# Altium PCB LAY-94611_B.PcbDoc (part 4 of 16) (continued)
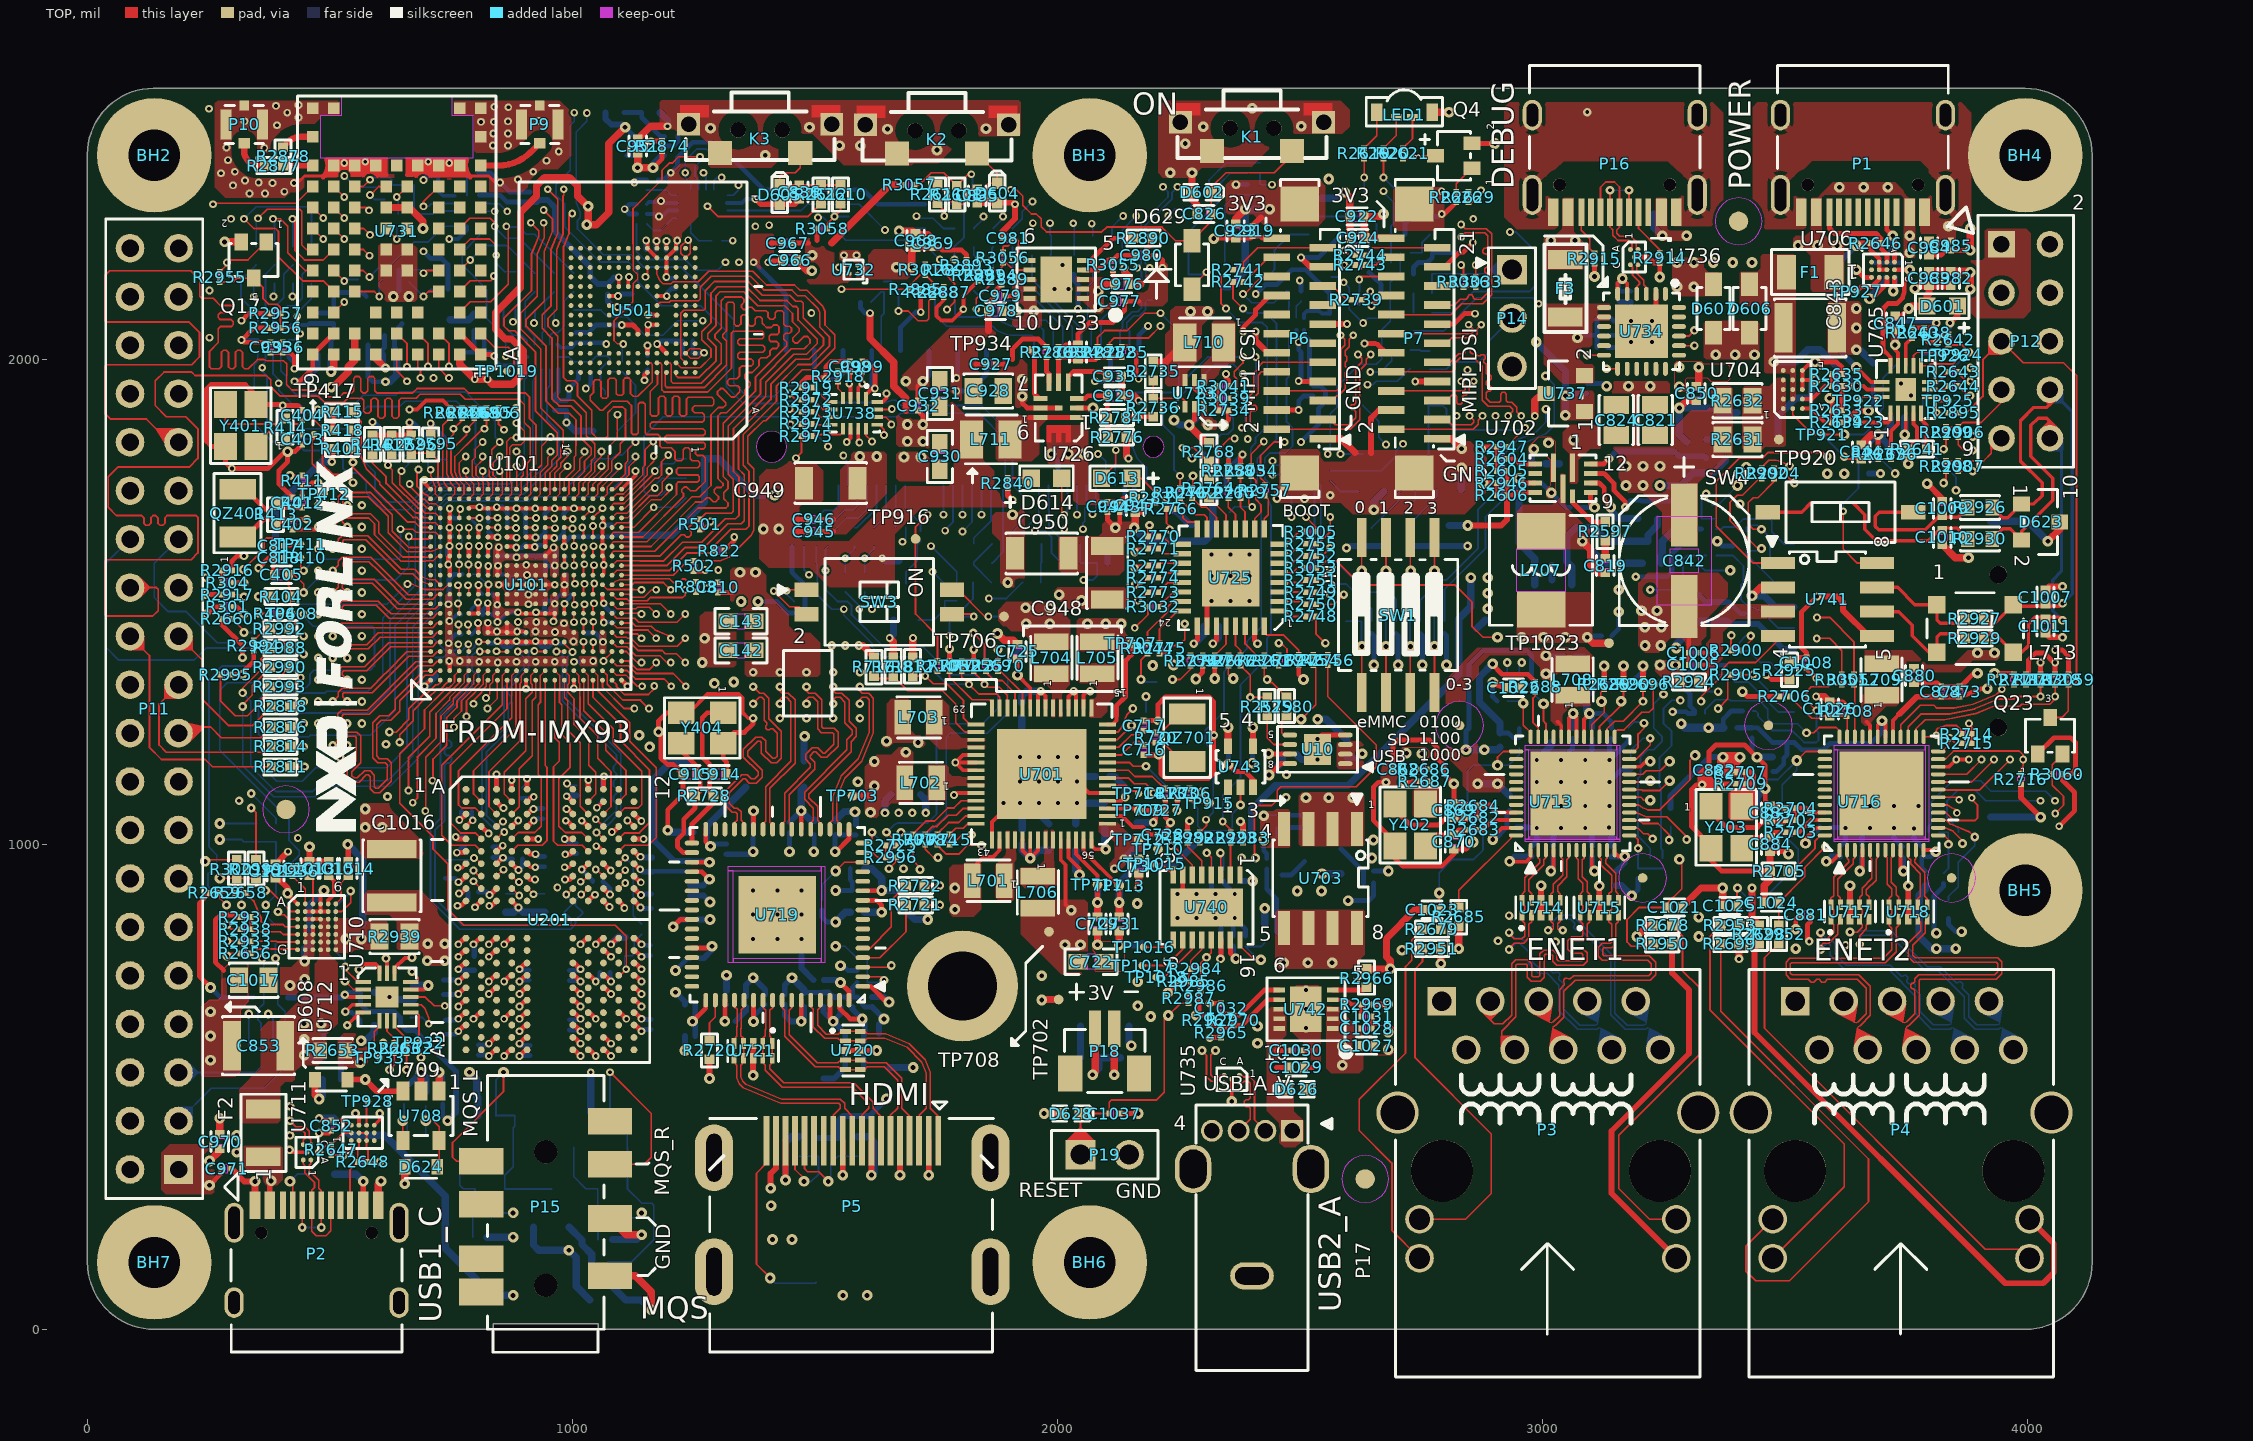
[diagram p0: TOP view]
## Nets (pads, with @x,y where several pads share a name; then routed paths per layer and width w, separated by ;. In a path a pad name is that pad's centre, name@x,y a point inside that pad or via, vN(x,y) a via of type N, cw(c..) or ccw(c..) an arc to the next point about the centre after c; other vN are vias at no path point) (continued)
  ART08 w3.09: v25(1700.8,1065) 1700.8,1047 1711.4,1036.4 1711.4,991.9 1752.3,951 1789.8,951 1840.2,900.6 1857.2,900.6 2025.8,732 2025.8,538 2059.3,504.5 2424.3,504.5 2643.8,724 2728.8,724 2732.6,727.8 3986.92,727.8 4096,836.88 4096,2088.74 P12.4@4047.13,2137.61
ADC_IN2: R2585.2 R2588.1 U101.B20 | length 138.5
  TOP w3.2: 717.5,1737.07 717.5,1722.59 U101.B20@727.43,1712.66
  TOP w3.62: v5(707.8,1772.5) 707.8,1760.48 717.5,1737.07
  BOTTOM w3.62: v5(707.8,1772.5) 702.04,1778.26 702.04,1800.2 719.8,1800.2 726.2,1793.8 741.96,1793.8
ADC_IN3: R2595.2 R2596.1 U101.B21 | length 122.3
  TOP w3.62: R2596.1@667.76,1805.2 669.36,1806.8 R2595.2@707.84,1806.8 722.8,1791.84 722.8,1746.98 727.43,1735.8 U101.B21@727.43,1732.34
ANVDD_1V8: C903.1 C904.1 C905.1 C906.1 C907.1 FB30.2 U719.17 U719.27 U719.36 U719.44 | length 425.5
  TOP w10: U719.44@1246.62,786.1 1283.9,786.1 v7(1287.8,790) ; U719.36@1246.62,943.58 1267.22,943.58 v7(1282.8,928) ; U719.27@1373.59,1031.18 v7(1373.59,1069) ; v7(1541.8,985) 1543.8,985 1570.44,1011.64 U719.17@1570.44,1031.18
  BOTTOM w10: 1372.8,1035.51 1372.8,1068.21 v7(1373.59,1069) ; v7(1541.8,985) 1541.8,1019.24 C903.1@1542.8,1020.24 1543.55,1019.49 1584.8,1019.49
  BOTTOM w12: C906.1@1242.8,894.49 1270.31,894.49 v2(1283.8,881) ; 1242.8,915.51 1270.31,915.51 v7(1282.8,928) ; C907.1@1263.31,765 1270.8,765 1287.8,782 v7(1287.8,790)
APVDD_1V8: C896.1 C897.1 FB27.2 U719.32 | length 232.3
  TOP w10: U719.32@1275.16,1031.18 1275.16,1005.64 v7(1284.8,996)
  BOTTOM w10: 1277.56,1025 1277.56,1003.24 v7(1284.8,996) 1289.31,1000.51 1317.8,1000.51
  BOTTOM w15: 1277.56,1025 1277.56,1037.76 1357.8,1118
AVCC_3V3: C898.1 C899.1 C900.1 FB28.2 U719.22 U719.41 | length 749.5
  TOP w10: v18(1207.8,830) 1222.96,845.16 U719.41@1246.62,845.16 ; U719.22@1472.01,1031.18 v18(1472.01,1069)
  ART08 w15: v18(1207.8,830) 1254.8,830 1265.8,819 1302.8,819 1332.8,849 1332.8,905 1417.8,990 1417.8,1014.79 v18(1472.01,1069)
  BOTTOM w10: v2(1447.8,985) C899.1@1447.8,1024.49
  BOTTOM w12: v18(1207.8,830) 1222.8,845 C900.1@1237.29,845 ; 1447.8,1045.51 1447.8,1045.79 1471.01,1069 v18(1472.01,1069)
  BOTTOM w15: 1477.8,1118 1472.01,1112.21 v18(1472.01,1069) 1491.25,1049.76 C898.1@1498.8,1049.76 ; FB28.2@1477.8,1172 1477.8,1221.8 v13(1479,1223)
B16_TAMPER0: C818.1 TP410.1 U101.B16 | length 420.3
  TOP w3.2: 671.55,1650 677.78,1643.77 717.58,1643.77 U101.B16@727.43,1633.92
  TOP w3.62: C818.1@405.31,1591 TP410.1@439.8,1591 439.8,1570.45 v15(445.8,1564.45) ; v5(645.8,1650) 671.55,1650
  BOTTOM w3.62: v15(445.8,1564.45) 469.35,1588 640.18,1588 645.8,1593.62 v5(645.8,1650)
BT_154_RST: R3029.2 R3030.2 U731.J7 | length 120.5
  TOP w3.62: U731.J7@551.19,2356.61 568.91,2356.61 v5(582.8,2370.5)
  BOTTOM w3.62: v5(582.8,2370.5) 587.3,2375 622.8,2375 628.31,2369.49 628.31,2360 652.29,2360
BT_154_WAKE_HOST: U731.E7 U745.7 | length 254.7
  TOP w3.62: U731.E7@551.19,2183.39 568.41,2183.39 v5(581.8,2170)
  BOTTOM w3.62: v5(581.8,2170) 599.8,2188 618.8,2188 672.8,2242 701.8,2242 733.8,2274 734.22,2274 734.72,2274.5 757.01,2274.5
BT_RST: R3029.1 U745.9 | length 143.6
  BOTTOM w3.62: 673.31,2360 673.31,2304.49 677.8,2300 712.8,2300 718.3,2305.5 734.22,2305.5 734.72,2306 757.01,2306
BUF_POR: R145.2 R2753.1 U743.4 | length 324
  TOP w3.62: v20(2237.8,1340) 2253.8,1340 2274.8,1361 2274.8,1368.49
  TOP w12: U743.4@2403.4,1202.5 v19(2403.4,1241)
  ART06 w4: v20(2237.8,1340) 2258.8,1319 2322,1319 2400,1241 v19(2403.4,1241)
  BOTTOM w3.62: R145.2@2402.8,1215.51 2402.8,1240.4 v19(2403.4,1241)
BYPASS1: C854.2 U712.4 | length 139.1
  TOP w8: v15(531.8,655) 546.05,669.25 U712.4@568.59,669.25
  BOTTOM w10: v15(531.8,655) 533.8,653 545.8,653 562.04,636.76 562.04,626
  BOTTOM w15: v2(564.3,595) 573.8,595 591.56,612.76 C854.2@591.56,626
CAM_GPIO: P6.17 R2739.2 | length 70.9
  TOP w3.62: P6.17@2547.24,2151.57 2568.44,2151.57 2597.01,2123 2606.29,2123
CAM_MCLK: P6.18 R2738.2 TP1057.1 | length 197.2
  TOP w3.62: v5(2382.8,2135) 2386.8,2135 2423.05,2171.25 P6.18@2452.76,2171.25
  BOTTOM w3.62: v5(2382.8,2135) 2400.8,2117 TP1057.1@2441,2117 2447,2117 2470.51,2140.51 R2738.2@2477.8,2140.51
CAM_SCL: P6.20 R2742.2 | length 90.4
  TOP w3.62: 2383.31,2160 2385.29,2160 2435.91,2210.62 P6.20@2452.76,2210.62
CAM_SDA: P6.21 R2741.2 | length 191.8
  TOP w3.62: 2383.31,2185 2383.31,2200.52 2413.1,2230.31 P6.21@2547.24,2230.31
CAN_H: C1007.2 D623.1 L713.2 P12.8 R2926.2 R2927.2 | length 1102.3
  TOP w7: R2927.2@3911,1465.04 3919.96,1456.08 3933.41,1456.08 L713.2@3971.54,1494.21 3974.75,1491 4033.56,1491 4037.8,1495.24 4042.04,1491 4066.8,1491 v15(4072.8,1497) ; R2926.2@3928.39,1695 3949.89,1673.5 3959.8,1673.5 D623.1@3988.3,1702 4013.8,1702 4030.8,1719 4030.8,1745.88 3986.3,1790.38 3986.3,1873.62 4013.68,1901 4040.13,1901 4047.13,1908 P12.8@4047.13,1937.61
  TOP w12: C1007.2@4037.8,1524.76 4045.04,1532 v10(4072.8,1532)
  BOTTOM w7: P12.8@4047.13,1937.61 4092.8,1891.94 4092.8,1517 v15(4072.8,1497)
CAN_L: C1011.1 D623.2 L713.3 P12.10 R2929.2 R2930.1 | length 1126.4
  TOP w7: R2929.2@3911,1425.04 3920.04,1434.08 3933.25,1434.08 L713.3@3971.54,1395.79 3988.59,1395.79 4002.8,1410 4002.8,1455 4016.8,1469 4033.56,1469 4037.8,1464.76 4042.04,1469 4065.8,1469 v15(4072.8,1462) ; R2930.1@3928.39,1630 3949.39,1651 3965.3,1651 D623.2@3988.3,1628 3988.3,1645 4052.8,1709.5 4052.8,1755 4007.8,1800 4007.8,1864 4022.8,1879 4040.13,1879 4047.13,1872 P12.10@4047.13,1837.61
  TOP w12: C1011.1@4037.8,1435.24 4046.04,1427 v10(4072.8,1427)
  BOTTOM w7: P12.10@4047.13,1837.61 4070.8,1813.94 4070.8,1563 4052.8,1545 4052.8,1482 v15(4072.8,1462)
CAN_RXD: SW3.3 TP1086.1 U741.4 | length 2200.1
  TOP w3.62: SW3.3@1782.8,1475 1822.8,1475 v3(1827.8,1470) ; v11(3327.8,1295) 3327.8,1305 3370,1347.2 3370,1360 3385,1375 3440,1375 3486.17,1421.17 U741.4@3486.17,1430
  ART03 w3.09: v3(1827.8,1470) 1848.8,1449 1861.8,1449 1868.8,1456 1883.8,1456 1914.8,1425 2162.8,1425 2173.8,1436 2506.8,1436 2545.8,1397 2563.8,1397 2570.8,1404 2570.8,1423 2649.8,1502 3106.2,1502 3174,1569.8 3303.29,1569.8 3327.8,1545.29 v11(3327.8,1295)
  BOTTOM w3.62: TP1086.1@1800,1460 1810,1470 v3(1827.8,1470)
CAN_STBY: R2775.2 R2931.1 | length 1898.7
  TOP w3.62: 2210.8,1393.49 2221.28,1393.49 2237.79,1410 2250.79,1410 2262.8,1422.01 v11(2262.8,1455)
  ART03 w3.09: v11(2262.8,1455) 2527.8,1455 2555.8,1483 2599.81,1483 2639.61,1522.8 2767.89,1522.8 2812.69,1567.6 2891.4,1567.6 2933,1526 3096.4,1526 3161,1590.6 3313.2,1590.6 3373.8,1530 3492.8,1530 3650.3,1687.5 3650.3,1758.5 3677.8,1786 3706.8,1786 v11(3727.8,1765)
  BOTTOM w3.62: 3673.31,1790 3702.8,1790 v11(3727.8,1765)
CAN_TXD: SW3.4 TP1085.1 U741.1 | length 2740.2
  TOP w3.62: SW3.4@1782.8,1525 1795.8,1525 1850.8,1470 v3(1857.8,1470) ; U741.1@3486.17,1580 3435,1580 3359,1656 3359,1749 3407,1797 3454.5,1797 3465.5,1808 3579.8,1808 v11(3587.8,1800)
  ART03 w3.09: v3(1857.8,1470) 1890.8,1470 1925.4,1435.4 2008.2,1435.4 2046.8,1474 2147,1474 2156,1465 2239.8,1465 2248.8,1474 2280.8,1474 2289.4,1465.4 2450.4,1465.4 2526,1541 2740.8,1541 2754.8,1555 2754.8,1573.91 2761.89,1581 2892.71,1581 2937.31,1536.4 3092.09,1536.4 3156.69,1601 3320.8,1601 3381.4,1540.4 3488.49,1540.4 3568.8,1620.71 3568.8,1775 3587.8,1794 v11(3587.8,1800)
  BOTTOM w3.62: v3(1857.8,1470) TP1085.1@1890,1470
CAN_VDD_5V: C1005.1 C1006.1 R2924.1 U741.3 | length 36.8
  TOP w10: C1005.1@3323.31,1370 3341.71,1370 ; C1006.1@3323.31,1395 3341.71,1395
CAN_VIO_3V3: C1008.1 R2925.2 R2928.1 U741.5 | length 696.5
  TOP w10: R2925.2@3509.96,1378.2 3518.21,1378.2 3525.52,1385.51 C1008.1@3545,1385.51 3545,1394.99 3534.5,1405.49 3534.5,1479.07 v3(3566.43,1511)
  TOP w12: v3(3566.43,1511) 3608,1511 3620,1499 3620,1482.8 3672.8,1430 U741.5@3690.43,1430
  ART03 w15: v3(3566.43,1511) 3592.8,1511 3697.8,1616 v11(3697.8,1765)
  BOTTOM w12: 3673.31,1765 v11(3697.8,1765)
CANH: L713.1 R2927.1 U741.7 | length 235.2
  TOP w7: U741.7@3690.43,1530 3732.8,1530 3768.59,1494.21 L713.1@3814.06,1494.21 3814.06,1463 3821.06,1456 3863.96,1456 R2927.1@3873,1465.04
CANL: L713.4 R2929.1 U741.6 | length 268.3
  TOP w7: U741.6@3690.43,1480 3735,1480 3762.8,1452.2 3762.8,1430 3797.01,1395.79 L713.4@3814.06,1395.79 3814.06,1427 3821.06,1434 3864.04,1434 R2929.1@3873,1425.04
CLKIN1: R415.1 U101.B17 | length 332.7
  TOP w3.2: 690.04,1663.35 717.68,1663.35 U101.B17@727.43,1653.6
  TOP w3.62: R415.1@544.6,1891.96 564.8,1871.76 564.8,1799.24 574.88,1774.92 602.8,1747 602.8,1742.8 671.58,1674.02 679.37,1674.02 690.04,1663.35
CLKIN2: R416.1 U101.A18 | length 193.8
  TOP w3.62: R416.1@587.76,1805.2 587.76,1786.04 615.8,1758 615.8,1744.42 676.8,1683.42 683.28,1683.42 693.31,1673.39 707.65,1673.39 U101.A18@707.75,1673.29
CLKO01: R2851.1 R2854.1 R2862.1 U101.AA2 | length 2454
  TOP w3.62: U101.AA2@1101.45,1358.32 1113.04,1358.32 1130.36,1341 1189.09,1341 v4(1203.92,1326.17)
  ART06 w4: v4(1203.92,1326.17) 1232.75,1355 1303.8,1355 1312.8,1346 1312.8,1323 1334.8,1301 1334.8,1255.73 1362.53,1228 1439.8,1228 1473.3,1194.5 1575.3,1194.5 1698.8,1318 1725.8,1318 1749.8,1342 1749.8,1352 1725.8,1376 1725.8,1536 1716.8,1545 1716.8,1618 1732.8,1634 1750.8,1634 1759.8,1625 1776.8,1625 1786.8,1635 1786.8,1654 1794.8,1662 1817.8,1662 1825.8,1670 1825.8,1692 1771.8,1746 1577.8,1746 1504.8,1819 1504.8,1967 1604.8,2067 1722.8,2067 1741.8,2086 1741.8,2134 1787.8,2180 v4(1787.8,2206.2)
  BOTTOM w3.62: 1748.31,2320 1802.8,2320 1807.8,2315 1807.8,2252.16 1787.84,2232.2 v4(1787.8,2206.2) v4(1787.8,2206.2) 1787.8,2180
CLKO02: R2754.1 U101.Y3 | length 1814.9
  TOP w3.2: U101.Y3@1081.76,1378.01 1091.62,1368.15 1115.69,1368.15 1123.32,1360.52
  TOP w3.62: 1123.32,1360.52 1131.34,1352.5 1207.59,1352.5 v9(1233.92,1326.17) ; v18(2502.8,1258) 2532.8,1288 2532.8,1365.87 2529.18,1369.49 2527.8,1369.49
  ART08 w3.09: v9(1233.92,1326.17) 1237.9,1326.17 1243.04,1331.31 1282.62,1347.69 1296,1361.07 1300.34,1371.54 1326.9,1398.1 1498.9,1398.1 1527.5,1426.7 1601.1,1426.7 1608.8,1419 1608.8,1406 1734.8,1280 1794.8,1280 1851.8,1223 2054.8,1223 2098.8,1179 2190,1179 2206,1163 2218,1163 2235.5,1145.5 2327.5,1145.5 2333,1151 2333,1174 2375,1216 2375,1247 2389,1261 2499.8,1261 v18(2502.8,1258)
CLKO03: R2740.1 U101.U4 | length 2023.2
  TOP w3.62: U101.U4@1022.71,1397.69 1022.71,1417.75 v3(1023.05,1418.09)
  ART03 w3.09: v3(1023.05,1418.09) 1023.05,1420.25 1035.8,1433 1090.8,1433 1112.8,1455 1112.8,1535 1139.4,1561.6 1179.34,1561.6 1253.74,1636 1302.8,1636 1320.8,1654 1362.8,1654 1405.2,1696.4 1806.2,1696.4 1856.85,1747.05 2216.71,1747.05 2247.96,1715.8 2417,1715.8 2457.8,1675 v3(2482.8,1675)
  BOTTOM w3.62: R2740.1@2472.8,1924.49 2472.8,1871.2 2485.3,1858.7 2485.3,1821.5 2470.8,1807 2438,1807 2427.8,1796.8 2427.8,1754 2445.8,1736 2459.8,1736 2482.8,1713 v3(2482.8,1675)
CLKO04: Q23.2 R2895.1 R3060.2 U101.V4 | length 4987
  TOP w3.62: U101.V4@1042.39,1397.69 1042.39,1416.92 v9(1043.05,1417.58) ; v6(3812.8,1890) 3837.29,1890 ; v9(4058,1063.5) 4075,1080.5 4075,1099 4051.98,1122.02 4051.98,1145 4051.98,1163.99 4073,1185.01 Q23.2@4073,1186.53
  ART08 w3.09: v9(1043.05,1417.58) 1043.05,1404.5 1052.55,1395 1074,1395 1128.8,1340.2 1128.8,1318 1139.8,1307 1295.8,1307 1313.8,1325 1313.8,1349.76 1320.34,1365.54 1340.8,1386 1607.8,1386 1630.8,1363 1630.8,1351 1724.3,1257.5 1789.3,1257.5 1846.8,1200 2048.8,1200 2108.8,1140 2215,1140 2228,1127 2347,1127 2380,1160 2380,1188 2398,1206 2420.8,1206 2424.8,1210 2469.8,1210 2530.8,1149 2554.8,1149 2584.8,1119 2584.8,1083 2566.8,1065 2566.8,869.01 2592.81,843 2700.8,843 2732.8,811 2835.8,811 2900.9,745.9 3712.9,745.9 3988,1021 4029,1021 4058,1050 v9(4058,1063.5) 4043,1078.5 4043,1107 4075,1139 4075,1405.5 4053,1427.5 4053,1546.8 3905.8,1694 3905.8,1862 3877.8,1890 v6(3812.8,1890)
CSI_CLK_N: P6.8 TP1054.1 U101.D10 | length 3465
  TOP w2.79: v9(764.33,1534.28) 766.8,1531.81 U101.D10@766.8,1515.8 ; v9(2406.3,1859.15) 2398,1867.45 2398,1890.67 2401.27,1893.94 2407.73,1893.94 2411,1897.21 2411,1901.83 2407.73,1905.1 2401.27,1905.1 2398,1908.37 2398,1914 2414,1930 2414,1967.54 2420.86,1974.4 P6.8@2452.76,1974.4
  ART08 w2.81: v9(764.33,1534.28) 768.65,1538.6 768.65,1546 763.65,1551 728.82,1551 717.8,1562.02 717.8,1570.77 714.99,1573.58 712.61,1573.58 709.8,1576.39 709.8,1582.01 712.61,1584.82 714.99,1584.82 717.8,1587.63 717.8,1593.25 714.99,1596.06 712.61,1596.06 709.8,1598.87 709.8,1604.49 712.61,1607.3 714.99,1607.3 717.8,1610.11 717.8,1615.73 714.99,1618.54 712.61,1618.54 709.8,1621.35 709.8,1626.97 712.61,1629.78 714.99,1629.78 717.8,1632.59 717.8,1703 746.8,1732 746.8,1810.02 726.8,1830.02 726.8,1868 743.8,1885 802.82,1885 828.81,1910.99 879.53,1932 949.78,1932 960.78,1921 1042.8,1921 1064.8,1943 1125.8,1943 1131.8,1937 1314.82,1937 1367.82,1990 1384.89,1990 1396.89,1978 1403.15,1978 1415.15,1990 1495.96,1990 1505.8,1980.16 1505.8,1940 1518.31,1927.49 1518.31,1910.47 1536.78,1892 1593.99,1892 1596.8,1894.81 1596.8,1912.18 1593.98,1915 1566.8,1915 1538.8,1943 1538.8,1980.17 1548.63,1990 1622.93,1990 1632.76,1980.17 1632.76,1969.81 1635.57,1967 1646.81,1967 1649.62,1969.81 1649.62,1980.17 1659.45,1990 1809.75,1990 1819.58,1980.17 1819.58,1934.81 1822.39,1932 1833.63,1932 1836.44,1934.81 1836.44,1980.17 1846.27,1990 1867.47,1990 1877.3,1980.17 1877.3,1934.81 1880.11,1932 1891.35,1932 1894.16,1934.81 1894.16,1980.17 1903.99,1990 1951.31,1990 1961.14,1980.17 1961.14,1896.81 1963.95,1894 1975.19,1894 1978,1896.81 1978,1980.17 1987.83,1990 2016.74,1990 2026.57,1980.17 2026.57,1897.81 2029.38,1895 2040.12,1895 2042.93,1897.81 2042.93,1979.67 2053.26,1990 2095.89,1990 2105.72,1980.17 2105.72,1938.81 2108.53,1936 2119.77,1936 2122.58,1938.81 2122.58,1980.17 2132.41,1990 2191.8,1990 2234.8,1947 2279.78,1947 2287.48,1939.3 2292.7,1939.3 2298.04,1933.96 2298.04,1928.74 2310.78,1916 2318.86,1916 2321.67,1918.81 2321.67,1922.19 2324.48,1925 2330.1,1925 2332.91,1922.19 2332.91,1918.81 2335.72,1916 2367.8,1916 2382.82,1900.98 2386.8,1900.98 2390.32,1904.5 2394.3,1904.5 2398.27,1900.53 2398.27,1896.55 2394.75,1893.03 2394.75,1889.05 2399.3,1884.5 2399.3,1866.15 v9(2406.3,1859.15)
  BOTTOM w2.79: v9(2406.3,1859.15) 2396.7,1868.75 2396.7,1897.21 2399.49,1900 TP1054.1@2410,1900
CSI_CLK_P: P6.9 TP1055.1 U101.E10 | length 3464.5
  TOP w2.79: v9(784.97,1534.28) 786.49,1532.76 U101.E10@786.49,1515.8 ; v9(2380.3,1859.15) 2389.2,1868.05 2389.2,1917.65 2405.2,1933.65 2405.2,1971.19 2414,1979.99 2414,1983.94 2424.15,1994.09 P6.9@2547.24,1994.09
  ART08 w2.81: v9(784.97,1534.28) 780.65,1538.6 780.65,1550.98 768.63,1563 733.8,1563 729.8,1567 729.8,1698.02 758.8,1727.02 758.8,1815 738.8,1835 738.8,1863.02 748.78,1873 807.8,1873 835.61,1900.81 881.92,1920 944.8,1920 955.8,1909 1047.78,1909 1069.78,1931 1120.82,1931 1126.82,1925 1319.8,1925 1372.8,1978 1379.91,1978 1391.91,1966 1408.13,1966 1420.13,1978 1490.98,1978 1493.8,1975.18 1493.8,1935.02 1506.31,1922.51 1506.31,1905.49 1531.8,1880 1598.97,1880 1608.8,1889.83 1608.8,1917.16 1598.96,1927 1571.78,1927 1550.8,1947.98 1550.8,1975.19 1553.61,1978 1617.95,1978 1620.76,1975.19 1620.76,1964.83 1630.59,1955 1651.79,1955 1661.62,1964.83 1661.62,1975.19 1664.43,1978 1804.77,1978 1807.58,1975.19 1807.58,1929.83 1817.41,1920 1838.61,1920 1848.44,1929.83 1848.44,1975.19 1851.25,1978 1862.49,1978 1865.3,1975.19 1865.3,1929.83 1875.13,1920 1896.33,1920 1906.16,1929.83 1906.16,1975.19 1908.97,1978 1946.33,1978 1949.14,1975.19 1949.14,1891.83 1958.97,1882 1980.17,1882 1990,1891.83 1990,1975.19 1992.81,1978 2011.76,1978 2014.57,1975.19 2014.57,1892.83 2024.4,1883 2045.1,1883 2054.93,1892.83 2054.93,1974.69 2058.24,1978 2090.91,1978 2093.72,1975.19 2093.72,1933.83 2103.55,1924 2124.75,1924 2134.58,1933.83 2134.58,1975.19 2137.39,1978 2186.82,1978 2229.82,1935 2274.8,1935 2305.8,1904 2362.82,1904 2387.3,1879.52 2387.3,1866.15 v9(2380.3,1859.15)
  BOTTOM w2.79: TP1055.1@2375,1900 2385.31,1900 2387.9,1897.41 2387.9,1866.75 v9(2380.3,1859.15)
CSI_D0_N: P6.2 TP1050.1 U101.A11 | length 3403.3
  TOP w2.79: v6(535.8,1609.45) 526,1619.25 526,1625.14 528.86,1628 574,1628 613.63,1588.37 643.79,1558.2 670.8,1558.2 684.46,1544.54 693.93,1540.61 704.6,1536.2 706.31,1535.49 U101.A11@707.75,1535.49 ; P6.2@2452.76,1856.29 2604.29,1856.29 2624,1876 2624,1978.01 2637,1991.01 2637,2000.7 v9(2646.3,2010)
  ART08 w2.81: v6(535.8,1609.45) 532.86,1609.45 504.36,1637.95 456.83,1637.95 435.8,1658.98 435.8,1699.44 479.37,1804.59 534.21,1859.43 565.8,1935.72 565.8,2002.73 568.13,2008.34 624.79,2065 741.8,2065 761.8,2085 853.69,2085 875.42,2094 965.82,2094 1069.8,2137.05 1087.3,2144.3 1200.52,2144.3 1218.32,2126.5 1442.3,2126.5 1464.8,2149 1530.78,2149 1545.78,2164 1626.8,2164 1642.3,2148.5 1966.3,2148.5 1982.8,2165 2027.8,2165 2053.8,2191 2101.82,2191 2124.55,2200.41 2142.87,2208 2234.82,2208 2290.82,2152 2318.8,2152 2348.8,2182 2432.82,2182 2461.8,2153.02 2461.8,2115.02 2597.82,1979 2626.8,1979 2639.8,1992 2639.8,2003.5 v9(2646.3,2010)
CSI_D0_P: P6.3 TP1051.1 U101.B11 | length 3402.8
  TOP w2.79: v6(505.8,1609.45) 517.2,1620.85 517.2,1628.79 525.21,1636.8 577.65,1636.8 614.02,1600.43 ; 614.03,1600.43 619.85,1594.61 647.44,1567 674.45,1567 689.45,1552.01 705.15,1545.5 717.42,1545.5 U101.B11@727.43,1535.49 ; P6.3@2547.24,1875.98 2561.81,1875.98 2572.7,1865.09 2600.64,1865.09 2615.2,1879.65 2615.2,1892.53 2611.93,1895.8 2607.27,1895.8 2604,1899.07 2604,1903.69 2607.27,1906.96 2611.93,1906.96 2615.2,1910.23 2615.2,1981.66 2628.2,1994.66 2628.2,2002.1 v9(2620.3,2010)
  ART08 w2.81: v6(505.8,1609.45) 508.72,1612.37 508.72,1616.61 499.38,1625.95 451.85,1625.95 423.8,1654 423.8,1701.83 427.99,1711.93 426.47,1715.59 424.85,1716.27 423.33,1719.93 425.5,1725.14 429.16,1726.66 430.78,1725.98 434.44,1727.5 436.61,1732.71 435.09,1736.37 433.47,1737.05 431.95,1740.71 434.12,1745.92 437.78,1747.44 439.4,1746.76 443.06,1748.28 445.23,1753.49 443.71,1757.15 442.09,1757.83 440.57,1761.49 442.74,1766.7 446.4,1768.22 448.02,1767.54 451.68,1769.06 469.19,1811.39 524.03,1866.23 553.8,1938.11 553.8,2005.13 557.95,2015.15 619.81,2077 736.82,2077 756.82,2097 851.3,2097 858.98,2100.18 873.03,2106 963.43,2106 1069.8,2150.04 1084.91,2156.3 1205.5,2156.3 1223.3,2138.5 1437.32,2138.5 1459.82,2161 1525.8,2161 1540.8,2176 1631.78,2176 1647.28,2160.5 1961.32,2160.5 1977.82,2177 2022.82,2177 2048.82,2203 2099.43,2203 2140.48,2220 2239.8,2220 2295.8,2164 2313.82,2164 2343.82,2194 2437.8,2194 2473.8,2158 2473.8,2120 2492.17,2101.63 2496.15,2101.63 2497.17,2102.65 2501.15,2102.65 2505.12,2098.68 2505.12,2094.7 2504.1,2093.68 2504.1,2089.7 2508.07,2085.73 2512.05,2085.73 2513.07,2086.75 2517.05,2086.75 2521.02,2082.78 2521.02,2078.8 2520,2077.78 2520,2073.8 2523.97,2069.83 2527.95,2069.83 2528.97,2070.85 2532.95,2070.85 2536.92,2066.88 2536.92,2062.9 2535.9,2061.88 2535.9,2057.9 2539.87,2053.93 2543.85,2053.93 2545.87,2055.95 2549.85,2055.95 2553.82,2051.98 2553.82,2048 2551.8,2045.98 2551.8,2042 2602.8,1991 2621.82,1991 2627.8,1996.98 2627.8,2002.5 v9(2620.3,2010)
CSI_D1_N: P6.5 TP1052.1 U101.A10 | length 3408.8
  TOP w2.79: v6(505.8,1564.45) 517.2,1575.85 517.2,1583.86 525.14,1591.8 584.2,1591.8 661.2,1514.8 706.75,1514.8 U101.A10@707.75,1515.8 ; P6.5@2547.24,1915.35 2566.35,1915.35 2576.62,1925.62 2579.62,1925.62 2594,1940 2594,1949.75 2597,1952.75 2597,1960.91 2594,1963.91 2594,1972.07 2597,1975.07 2597,1983.23 2594,1986.23 2594,1994.39 2597,1997.39 2597,2005.55 2594,2008.55 2594,2018.01 2601.8,2025.81 2601.8,2041.5 v9(2610.3,2050)
  ART08 w2.81: v6(505.8,1564.45) 489.3,1580.95 454.37,1580.95 388.8,1646.52 388.8,1776.98 402.82,1791 421.82,1791 431.5,1800.68 434.8,1808.64 434.8,1827.98 504.29,1897.47 521.8,1939.74 521.8,2025 606.8,2110 705.82,2110 722.82,2127 844.49,2127 866.21,2136 957.04,2136 1069.33,2182.51 1086.82,2200 1206.8,2200 1243.01,2185 1421.3,2185 1482.3,2246 1612.8,2246 1636.8,2222 1711.8,2222 1743.3,2190.5 1942.32,2190.5 1984.82,2233 2092.34,2233 2133.39,2250 2283.78,2250 2308.78,2225 2333.06,2225 2337.06,2229 2344.3,2229 2348.3,2225 2459.8,2225 2465.47,2219.33 2469.45,2219.33 2473.47,2223.35 2477.45,2223.35 2481.42,2219.38 2481.42,2215.4 2477.4,2211.38 2477.4,2207.4 2496.3,2188.5 2525.28,2188.5 2544.91,2168.87 2548.89,2168.87 2552.42,2172.4 2556.4,2172.4 2560.37,2168.43 2560.37,2164.45 2556.84,2160.92 2556.84,2156.94 2580.23,2133.55 2584.21,2133.55 2587.74,2137.08 2591.72,2137.08 2595.69,2133.11 2595.69,2129.13 2592.16,2125.6 2592.16,2121.62 2601.8,2111.98 2601.8,2093 2612.8,2082 2612.8,2052.5 v9(2610.3,2050)
CSI_D1_P: P6.6 TP1053.1 U101.B10 | length 3409.2
  TOP w2.79: v6(535.8,1564.45) 526,1574.25 526,1580.21 528.79,1583 580.55,1583 601.57,1561.98 ; 601.57,1561.97 611.57,1551.97 ; 611.57,1551.98 657.55,1506 711.78,1506 721.58,1515.8 U101.B10@727.43,1515.8 ; P6.6@2452.76,1935.03 2576.58,1935.03 2585.2,1943.65 2585.2,2021.66 2593,2029.46 2593,2041.3 v9(2584.3,2050)
  ART08 w2.81: v6(535.8,1564.45) 515.62,1584.63 502.6,1584.63 494.28,1592.95 459.35,1592.95 400.8,1651.5 400.8,1772 407.8,1779 426.8,1779 441.68,1793.88 446.8,1806.25 446.8,1823 514.47,1890.67 533.8,1937.35 533.8,2020.02 611.78,2098 710.8,2098 727.8,2115 846.88,2115 868.6,2124 959.43,2124 1069.8,2169.71 1076.13,2172.33 1091.8,2188 1204.41,2188 1240.62,2173 1426.28,2173 1487.28,2234 1607.82,2234 1631.82,2210 1706.82,2210 1738.32,2178.5 1947.3,2178.5 1989.8,2221 2094.73,2221 2135.78,2238 2278.8,2238 2303.8,2213 2454.82,2213 2491.32,2176.5 2520.3,2176.5 2589.8,2107 2589.8,2093 2581.8,2085 2581.8,2052.5 v9(2584.3,2050)
CSI_NRST: R2739.1 R3044.2 TP1058.1 | length 1236.7
  TOP w3.62: v20(2172.8,1340) 2172.8,1380.49 2185.8,1393.49 ; 2627.31,2123 2644.31,2140 v4(2645.48,2140)
  ART06 w4: v20(2172.8,1340) 2201.8,1340 2219.8,1358 2219.8,1382.01 2242.8,1405.01 2242.8,1572.8 2415,1745 2453,1745 2597,1889 2659.3,1889 2702,1931.7 2702,2083.48 v4(2645.48,2140)
  BOTTOM w3.62: v20(2172.8,1340) 2177.8,1335 TP1058.1@2205,1335
CTP_RST: R2771.2 R3035.1 R3036.1 TP1063.1 | length 1316.6
  TOP w3.62: v20(2159.8,1603) 2159.8,1606 2163.8,1610 2187.29,1610 ; v3(2832.8,2195) 2837.8,2190 2837.8,2170.51
  ART03 w3.09: v22(2630.8,2075) 2682.8,2075 2802.8,2195 v3(2832.8,2195)
  ART06 w4: v20(2159.8,1603) 2213,1603 2316.3,1706.3 2316.3,1828.5 2291.3,1853.5 2291.3,1878.5 2331.8,1919 2531,1919 2540,1928 2644,1928 2664,1948 2664,2041.8 v22(2630.8,2075)
  BOTTOM w3.62: 2602.29,2112 2602.29,2103.51 v22(2630.8,2075) 2640.8,2085 TP1063.1@2660,2085
DBG_ACC: TP932.1 U712.9 | length 76.1
  TOP w3.62: U712.9@667.01,653.5 678.3,653.5 683.8,648 TP932.1@683.8,591
DDC_SCL: D610.1 P5.15 R2721.2 R2730.2 | length 939.2
  TOP w3.62: P5.15@1478.87,388.74 1478.87,331 1484.87,325 1507.8,325 v18(1527.8,305) ; R2721.2@1726,875.04 v6(1757.8,875.04)
  ART08 w3.09: v18(1527.8,305) 1527.8,327 1564.8,364 1564.8,644 1621.28,700.48 1621.28,743.48 1649.3,771.5 1658.3,771.5 1699.8,813 1699.8,850 1724.84,875.04 v6(1757.8,875.04)
  BOTTOM w3.62: v18(1527.8,305) 1532.8,310 1532.8,341.84 1547.76,356.8 1587.8,356.8
DDC_SDA: D611.1 P5.16 R2722.2 R2732.2 | length 986.8
  TOP w3.62: P5.16@1459.19,388.74 1459.19,329.61 1477.8,311 v18(1477.8,305) ; R2722.2@1726,915.04 v6(1757.8,915.04)
  ART08 w3.09: v18(1477.8,305) 1514.8,342 1514.8,644 1599.8,729 1599.8,759 1630.8,790 1648.8,790 1674.8,816 1674.8,856 1733.84,915.04 v6(1757.8,915.04)
  BOTTOM w3.62: 1467.8,356.8 1507.76,356.8 1507.76,319.96 1492.8,305 v18(1477.8,305)
DDCSCL: R2721.1 U719.4 | length 166.1
  TOP w3.62: U719.4@1598.98,766.42 1634.22,766.42 1688,820.2 R2721.1@1688,875.04
DDCSDA: R2722.1 U719.5 | length 174.6
  TOP w3.62: U719.5@1598.98,786.1 1613.9,786.1 1657.8,830 1657.8,884.84 R2722.1@1688,915.04
DEB_UART1_RX: U734.21 U738.12 | length 2171.1
  TOP w3.62: U738.12@1605.36,1857.44 1605.36,1843.44 v3(1617.8,1831) ; U734.21@3282.06,2048.16 3301.96,2048.16 v11(3313.8,2060)
  ART03 w3.09: v3(1617.8,1831) 1623.8,1831 1675.4,1779.4 1749.49,1779.4 1765.3,1795.21 1765.3,1862.78 1827.2,1924.68 1827.2,1965.69 1857.31,1995.8 2203.08,1995.8 2296.78,1902.1 2465.69,1902.1 2488.69,1879.1 2793.7,1879.1 2804.8,1868 2927.8,1868 2952.4,1843.4 2972.2,1843.4 2992.8,1864 3175.3,1864 3250.3,1939 3250.3,1984.5 3272.8,2007 3319.8,2007 3335.8,2023 3335.8,2038 v11(3313.8,2060)
DEB_UART1_TX: U734.20 U738.14 | length 1913.1
  TOP w3.62: U738.14@1628.98,1881.06 1646.74,1881.06 1657.8,1870 v3(1657.8,1866) ; U734.20@3282.06,2028.47 v11(3313.8,2028.47)
  ART03 w3.09: v3(1657.8,1866) 1664.01,1866 1687.01,1889 1776.81,1889 1816.8,1928.99 1816.8,1970 1853,2006.2 2207.39,2006.2 2301.09,1912.5 2575.3,1912.5 2598.3,1889.5 2743.72,1889.5 2754.82,1900.6 2985.9,1900.6 3049.3,1964 3203.8,1964 3268.27,2028.47 v11(3313.8,2028.47)
DEB_UART2_RX: U734.13 U738.13 | length 1742.8
  TOP w3.62: U738.13@1628.98,1865.31 1632.49,1865.31 1642.8,1855 v3(1642.8,1844) ; v11(3132.8,1980.74) U734.13@3155.59,1980.74
  ART03 w3.09: v3(1642.8,1844) 1635.8,1851 1635.8,1872 1645.8,1882 1665.3,1882 1687.3,1904 1724.9,1904 1758.2,1937.3 1758.2,1973.69 1801.11,2016.6 2211.7,2016.6 2305.4,1922.9 2580.91,1922.9 2603.91,1899.9 2739.41,1899.9 2750.51,1911 2976.8,1911 3046.54,1980.74 v11(3132.8,1980.74)